# Altium PCB Copy of PCB.PcbDoc (part 2 of 3)
Units mm, origin at the board's own origin, x right, y up, seen from the top; angles counter-clockwise.
Board outline 229 x 100 mm, 4 copper layers (Top Layer 1, Inner Layer 2, Inner Layer 3, Bottom Layer 4), stack 1.586 mm thick; 164 components, 97 nets, 426 pads, 765 vias.
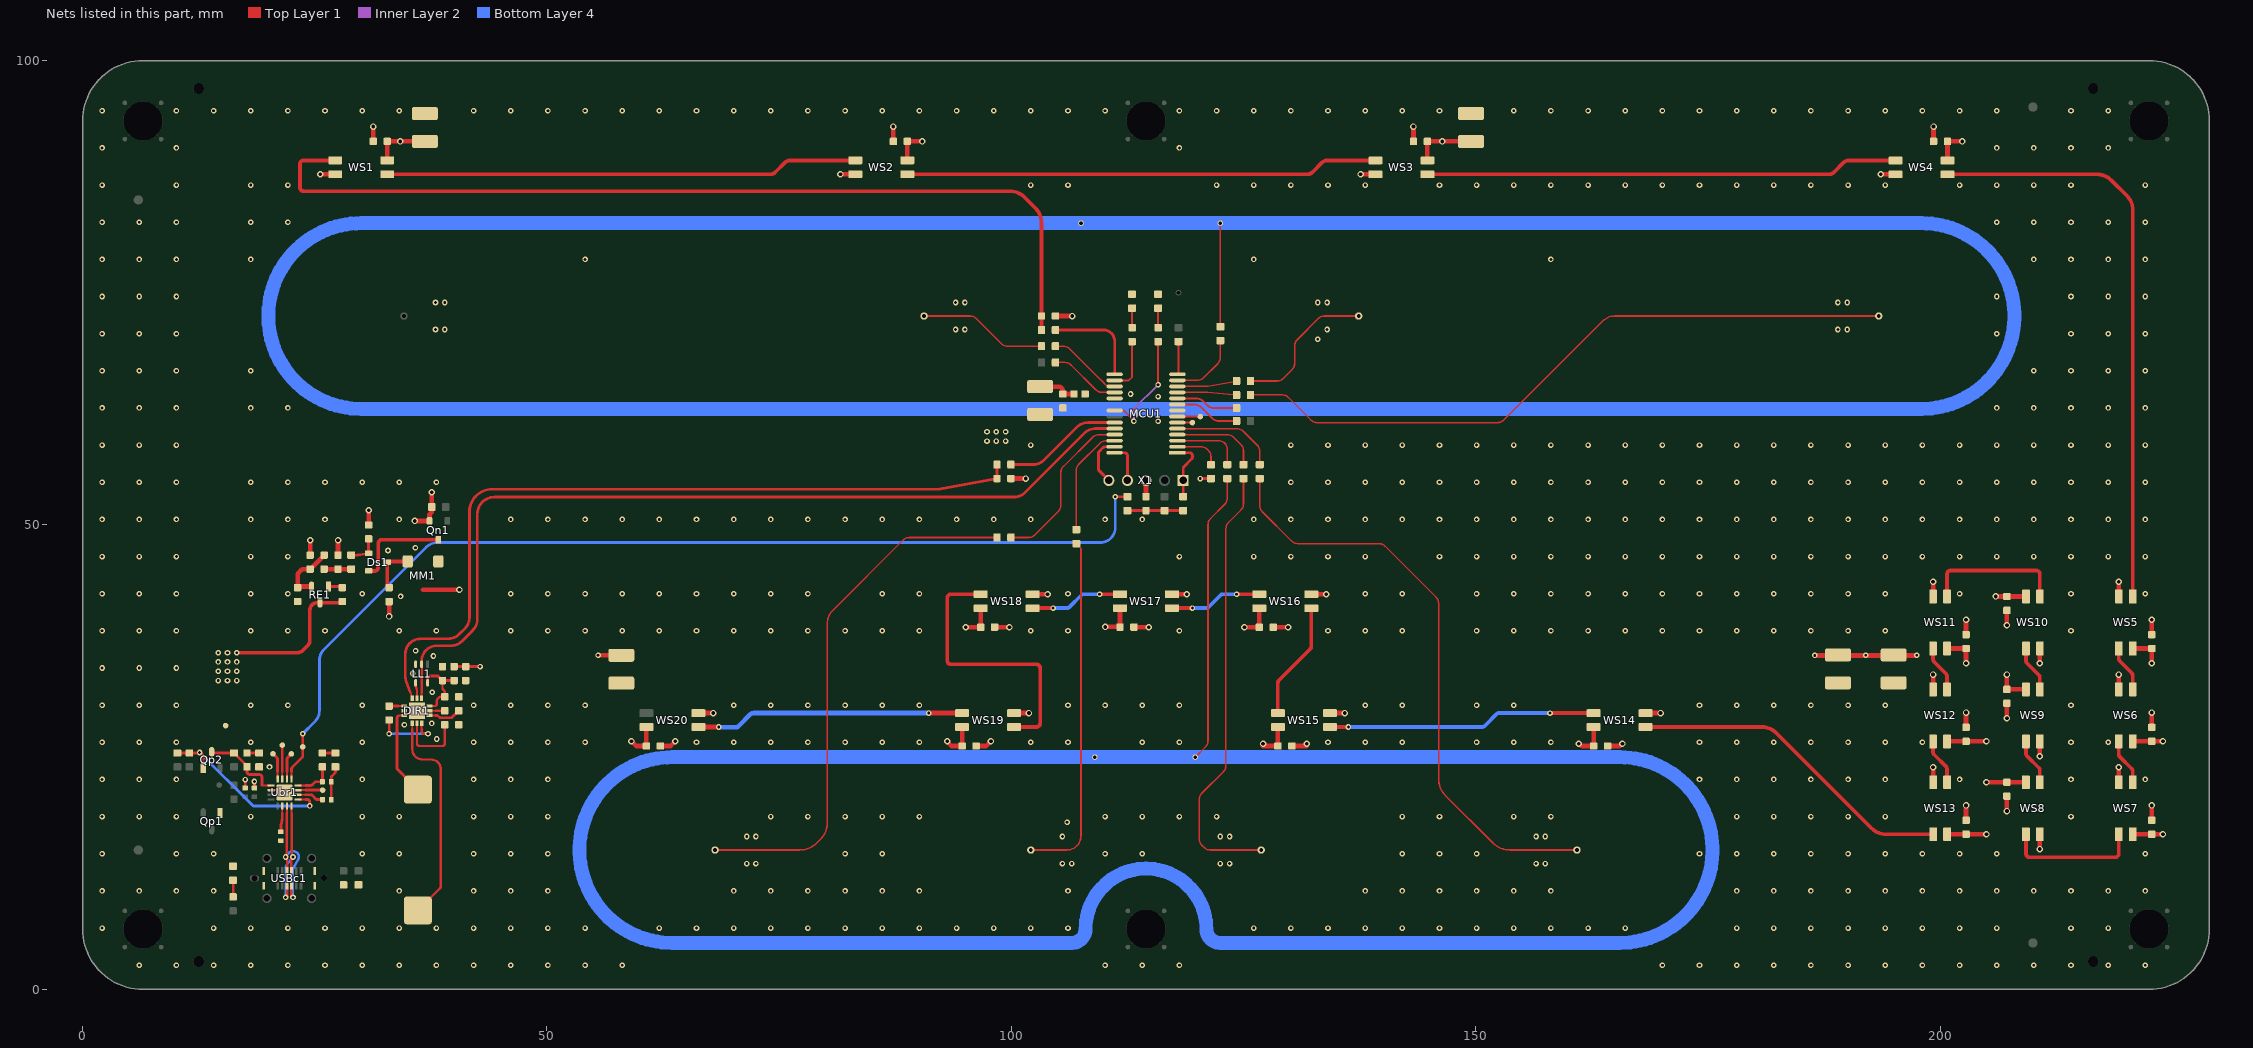
[diagram p4: the nets of this part, all layers, seen from the top]

## Part data (continued)
R1 R6: library part "0603 10 kOhm ±1% (B)", "10 k (103) ±1% 1/10W", Case/Package=0603, Manufacturer 1="Uniroyal Elec", Manufacturer Part Number 1=0603WAF1002T5E, Operating Temperature="-55°C ~ 155°C", Power (Watts)=1/10W, Supplier Part Number 1=C25804, Temperature Coefficient=±100ppm/°C, Tolerance=±1%, Voltage=50V, Assembly type="Basic Part", Detailed Description="CHIP RESISTOR - SURFACE MOUNT 10KOHMS ±1% 1/10W 0603 ROHS", Footprint check status=Verified, HelpURL=https://datasheet.lcsc.com/szlcsc/Uniroyal-Elec-0603WAF1002T5E_C25804.pdf, Marking=103, MountType=SMD, Note="Chip Resistor - Surface Mount", Publisher="Catcatcat Electronics", QuantityElements=1, Supplier 1=LCSC, Supplier Unit Price 1=0.0008, Supplier URL 1=https://jlcpcb.com/parts/componentSearch?searchTxt=C25804, Website developer=http://catcatcat.d-lan.dp.ua/
R2 R4 R5 R7 R8 R9 R12 R13 R16 R17 R18 R19: library part "0603 1 kOhm ±1% (B)", "1 k (01B) ±1% 1/10W", Case/Package=0603, Manufacturer 1="Uniroyal Elec", Manufacturer Part Number 1=0603WAF1001T5E, Operating Temperature="-55°C ~ 155°C", Power (Watts)=1/10W, Supplier Part Number 1=C21190, Temperature Coefficient=±100ppm/°C, Tolerance=±1%, Voltage=75V, Assembly type="Basic Part", Detailed Description="100mW Thick Film Resistors ±100ppm/℃ ±1% 1kΩ 0603  Chip Resistor - Surface Mount ROHS", Footprint check status=Verified, HelpURL=https://datasheet.lcsc.com/szlcsc/Uniroyal-Elec-0603WAF1001T5E_C21190.pdf, Marking=102, MountType=SMD, Note="Chip Resistor - Surface Mount", Publisher="Catcatcat Electronics", QuantityElements=1, Supplier 1=LCSC, Supplier Unit Price 1=0.0005, Supplier URL 1=https://jlcpcb.com/parts/componentSearch?searchTxt=, Website developer=http://catcatcat.d-lan.dp.ua/
R3: library part "0603 33 Ohm ±1% (B)", "33 R (330) ±1% 1/10W 50V", Case/Package=0603, Manufacturer 1="Uniroyal Elec", Manufacturer Part Number 1=0603WAF330JT5E, Operating Temperature="-55°C ~ 155°C", Power (Watts)=1/10W, Supplier Part Number 1=C23140, Temperature Coefficient=±100ppm/°C, Tolerance=±1%, Voltage=50V, Assembly type="Basic Part", Detailed Description="CHIP RESISTOR - SURFACE MOUNT 33OHMS ±1% 1/10W 0603 ROHS", Footprint check status=Verified, HelpURL=https://datasheet.lcsc.com/szlcsc/Uniroyal-Elec-0603WAF330JT5E_C23140.pdf, MountType=SMD, Note="Chip Resistor - Surface Mount", Publisher="Catcatcat Electronics", QuantityElements=1, Supplier 1=LCSC, Supplier Unit Price 1=0.0014, Supplier URL 1=https://jlcpcb.com/parts/componentSearch?searchTxt=, Website developer=http://catcatcat.d-lan.dp.ua/
R10 R11: library part "0603 22 Ohm ±1% (B)", "22 R (220) ±1% 1/10W 50V", Case/Package=0603, Manufacturer 1="Uniroyal Elec", Manufacturer Part Number 1=0603WAF220JT5E, Operating Temperature="-55°C ~ 155°C", Power (Watts)=1/10W, Supplier Part Number 1=C23345, Temperature Coefficient=±100ppm/°C, Tolerance=±1%, Voltage=50V, Assembly type="Basic Part", Detailed Description="100mW Thick Film Resistors ±100ppm/℃ ±1% 22Ω 0603  Chip Resistor - Surface Mount ROHS", Footprint check status=Verified, HelpURL=Uniroyal-Elec-0603WAF220JT5E_C23345.pdf, MountType=SMD, Note="Chip Resistor - Surface Mount", Publisher="Catcatcat Electronics", QuantityElements=1, Supplier 1=LCSC, Supplier Unit Price 1=0.0009, Supplier URL 1=https://jlcpcb.com/parts/componentSearch?searchTxt=, Website developer=http://catcatcat.d-lan.dp.ua/
R14 R15 R26 R30: library part "0603 2.2 kOhm ±1% (B)", "2.2 k (222) ±1% 1/10W 50V", Case/Package=0603, Manufacturer 1="Uniroyal Elec", Manufacturer Part Number 1=0603WAF2201T5E, Operating Temperature="-55°C ~ 155°C", Power (Watts)=1/10W, Supplier Part Number 1=C4190, Temperature Coefficient=±100ppm/℃, Tolerance=±1%, Voltage=50V, Assembly type="Basic Part", Detailed Description="100mW Thick Film Resistors ±100ppm/℃ ±1% 2.2kΩ 0603  Chip Resistor - Surface Mount ROHS", Footprint check status=Verified, HelpURL=https://datasheet.lcsc.com/szlcsc/Uniroyal-Elec-0603WAF2201T5E_C4190.pdf, Marking=222, MountType=SMD, Note="Chip Resistor - Surface Mount", Publisher="Catcatcat Electronics", QuantityElements=1, Supplier 1=LCSC, Supplier Unit Price 1=0.0009, Supplier URL 1=https://jlcpcb.com/parts/componentSearch?searchTxt=, Website developer=http://catcatcat.d-lan.dp.ua/
R20: library part "0603 4.7 Ohm ±1% (B)", "4.7 R (4R7) ±1% 1/10W 75V", Case/Package=0603, Manufacturer 1="UNI-ROYAL(Uniroyal Elec)", Manufacturer Part Number 1=0603WAF470KT5E, Operating Temperature="-55°C ~ 155°C", Power (Watts)=1/10W, Supplier Part Number 1=C23164, Temperature Coefficient=±400ppm/℃, Tolerance=±1%, Voltage=75V, Assembly type="Basic Part", Detailed Description="100mW Thick Film Resistors ±1% ±400ppm/℃ 4.7Ω 0603  Chip Resistor - Surface Mount ROHS", Footprint check status=Verified, HelpURL=https://datasheet.lcsc.com/lcsc/2206010116_UNI-ROYAL-Uniroyal-Elec-0603WAF470KT5E_C23164.pdf, Manufacturer URL=http://uniohm.com/, Marking=4R7, MountType=SMD, Note="Chip Resistor - Surface Mount", Publisher="Catcatcat Electronics", QuantityElements=1, Supplier 1=LCSC, Supplier Unit Price 1=0.0014, Supplier URL 1=https://www.lcsc.com/product-detail/Chip-Resistor-Surface-Mount_UNI-ROYAL-Uniroyal-Elec-0603WAF470KT5E_C23164.html, Website developer=http://catcatcat.d-lan.dp.ua/
R21: library part "0603 100 kOhm ±1% (B)", "100 k (104) ±1% 1/10W 50V", Case/Package=0603, Manufacturer 1="UNI-ROYAL(Uniroyal Elec)", Manufacturer Part Number 1=0603WAF1003T5E, Operating Temperature="-55°C ~ 155°C", Power (Watts)=1/10W, Supplier Part Number 1=C25803, Temperature Coefficient="±100 ppm/℃", Tolerance=±1%, Voltage=50V, Assembly type="Basic Part", Detailed Description="100mW Thick Film Resistors ±100ppm/℃ ±1% 100kΩ 0603  Chip Resistor - Surface Mount ROHS", Footprint check status=Verified, HelpURL=https://datasheet.lcsc.com/szlcsc/Uniroyal-Elec-0603WAF1003T5E_C25803.pdf, MountType=SMD, Note="Chip Resistor - Surface Mount", Publisher="Catcatcat Electronics", QuantityElements=1, Supplier 1=LCSC, Supplier Unit Price 1=0.0009, Supplier URL 1=https://jlcpcb.com/parts/componentSearch?searchTxt=C25803, Website developer=http://catcatcat.d-lan.dp.ua/
R22 R31: library part "0603 330 Ohm ±1% (B)", "330 R (331) ±5% 1/10W 50V", Case/Package=0603, Manufacturer 1="Uniroyal Elec", Manufacturer Part Number 1=0603WAF3300T5E, Operating Temperature="-55°C ~ 155°C", Power (Watts)=1/10W, Supplier Part Number 1=C23138, Temperature Coefficient=±100ppm/°C, Tolerance=±1%, Voltage=50V, Assembly type="Basic Part", Detailed Description="CHIP RESISTOR - SURFACE MOUNT 330OHMS ±1% 1/10W 0603 ROHS", Footprint check status=Verified, HelpURL=https://datasheet.lcsc.com/szlcsc/Uniroyal-Elec-0603WAF3300T5E_C23138.pdf, Manufacturer URL=http://uniohm.com/, MountType=SMD, Note="Chip Resistor - Surface Mount", Publisher="Catcatcat Electronics", QuantityElements=1, Supplier 1=LCSC, Supplier Unit Price 1=0.0019, Supplier URL 1=https://jlcpcb.com/parts/componentSearch?searchTxt=, Website developer=http://catcatcat.d-lan.dp.ua/
R23 R25: library part "0603 0 Ohm ±1% (B)", "0 R (000) ±5% 1/10W 50V", Case/Package=0603, Manufacturer 1="Uniroyal Elec", Manufacturer Part Number 1=0603WAF0000T5E, Operating Temperature="-55°C ~ 155°C", Power (Watts)=1/10W, Supplier Part Number 1=C21189, Temperature Coefficient=±100ppm/°C, Tolerance=±1%, Voltage=50V, Assembly type=DNP, Detailed Description="CHIP RESISTOR - SURFACE MOUNT 0OHMS ±1% 1/10W 0603 ROHS", Footprint check status=Verified, HelpURL=https://datasheet.lcsc.com/szlcsc/Uniroyal-Elec-0603WAF0000T5E_C21189.pdf, MountType=SMD, Note="Chip Resistor - Surface Mount", Publisher="Catcatcat Electronics", QuantityElements=1, Supplier 1=LCSC, Supplier Unit Price 1=0.0016, Supplier URL 1=https://jlcpcb.com/parts/componentSearch?searchTxt=, Website developer=http://catcatcat.d-lan.dp.ua/
R24: library part "0402 4.7 kOhm ±1% (B)", "4.7 k (4701)±1% 1/16W 50V", Case/Package=0402, Manufacturer 1="UNI-ROYAL(Uniroyal Elec)", Manufacturer Part Number 1=0402WGF4701TCE, Operating Temperature="-55°C ~ 155°C", Power (Watts)=1/16W, Supplier Part Number 1=C25900, Temperature Coefficient=±100ppm/℃, Tolerance=±1%, Voltage=50V, Assembly type="Basic Part", Detailed Description="±1% 1/16W Thick Film Resistors 50V ±100ppm/℃ -55℃~+155℃ 4.7kΩ 0402 Chip Resistor - Surface Mount ROHS", Footprint check status=Verified, HelpURL=Uniroyal-Elec-0402WGF4701TCE_C25900.pdf, MountType=SMD, Note="Chip Resistor - Surface Mount", Publisher="Catcatcat Electronics", QuantityElements=1, Supplier 1=LCSC, Supplier Unit Price 1=0.0005, Supplier URL 1=https://jlcpcb.com/parts/componentSearch?searchTxt=C25900, Website developer=http://catcatcat.d-lan.dp.ua/
R27: library part "0402 10 kOhm ±1% (B)", "10 k ±1% 1/16W 50V", Case/Package=0402, Manufacturer 1="Uniroyal Elec", Manufacturer Part Number 1=0402WGF1002TCE, Operating Temperature="-55°C ~ 155°C", Power (Watts)=1/16W, Supplier Part Number 1=C25744, Temperature Coefficient=±100ppm/°C, Tolerance=±1%, Voltage=50V, Assembly type="Basic Part", Detailed Description="62.5mW Thick Film Resistors ±100ppm/℃ ±1% 10kΩ 0402  Chip Resistor - Surface Mount ROHS", Footprint check status=Verified, HelpURL=https://datasheet.lcsc.com/szlcsc/Uniroyal-Elec-0402WGF1002TCE_C25744.pdf, MountType=SMD, Note="Chip Resistor - Surface Mount", Publisher="Catcatcat Electronics", QuantityElements=1, Supplier 1=LCSC, Supplier Unit Price 1=0.0004, Supplier URL 1=https://jlcpcb.com/parts/componentSearch?searchTxt=C25744, Website developer=http://catcatcat.d-lan.dp.ua/
R28: library part "0603 220 kOhm ±1% (B)", "220 k (224) ±5% 1/10W 50V", Case/Package=0603, Manufacturer 1="Uniroyal Elec", Manufacturer Part Number 1=0603WAF2203T5E, Operating Temperature="-55°C ~ 155°C", Power (Watts)=1/10W, Supplier Part Number 1=C22961, Temperature Coefficient=±100ppm/°C, Tolerance=±1%, Voltage=50V, Assembly type="Basic Part", Detailed Description="CHIP RESISTOR - SURFACE MOUNT 220KOHMS ±1% 1/10W 0603 ROHS", Footprint check status=Verified, HelpURL=https://datasheet.lcsc.com/szlcsc/Uniroyal-Elec-0603WAF1603T5E_C22813.pdf, Marking=224, MountType=SMD, Note="Chip Resistor - Surface Mount", Publisher="Catcatcat Electronics", QuantityElements=1, Supplier 1=LCSC, Supplier Unit Price 1=0.0016, Supplier URL 1=https://jlcpcb.com/parts/componentSearch?searchTxt=, Website developer=http://catcatcat.d-lan.dp.ua/
R29: library part "0603 10 Ohm ±1% (B)", "10 R (XIO) ±1% 1/10W 50V ±400ppm/°C", Case/Package=0603, Manufacturer 1="Uniroyal Elec", Manufacturer Part Number 1=0603WAF100JT5E, Operating Temperature="-55°C ~ 155°C", Power (Watts)=1/10W, Supplier Part Number 1=C22859, Temperature Coefficient=±400ppm/°C, Tolerance=±1%, Voltage=50V, Assembly type="Basic Part", Detailed Description="100mW Thick Film Resistors ±1% ±400ppm/℃ 10Ω 0603  Chip Resistor - Surface Mount ROHS", Footprint check status=Verified, HelpURL=https://datasheet.lcsc.com/szlcsc/Uniroyal-Elec-0603WAF100JT5E_C22859.pdf, MountType=SMD, Note="Chip Resistor - Surface Mount", Publisher="Catcatcat Electronics", QuantityElements=1, Supplier 1=LCSC, Supplier Unit Price 1=0.0009, Supplier URL 1=https://jlcpcb.com/parts/componentSearch?searchTxt=C22859, Website developer=http://catcatcat.d-lan.dp.ua/
RE1: library part "XC6206P332MR (B)", "LDO 5.0V 3.3V 200mA Fixed 3.3V~3.3V Positive 6V SOT-23-3L  Linear Voltage Regulators (LDO) ROHS", Case/Package=SOT-23-3L, Current - Output (Max)=200mA, Manufacturer 1="Torex Semicon", Operating Temperature="-40C to +85C", Supplier Part Number 1=C5446, Voltage=3.3V, Voltage - Input (Min)/(Max)=5V, Assembly type="Basic Part", Detailed Description="200mA Fixed 3.3V~3.3V Positive 6V SOT-23-3L  Linear Voltage Regulators (LDO) ROHS", Footprint check status=Verified, HelpURL=https://eu.mouser.com/datasheet/2/760/TOSL_S_A0007229533_1-2575067.pdf, Manufacturer Part Number 1=XC6206P332MR, Marking=662V, MountType=SMD, Note="LOW DROPOUT REGULATORS(LDO)", Publisher="Catcatcat Electronics", QuantityElements=1, Supplier 1=LCSC, Supplier Unit Price 1=0.0992, Supplier URL 1=https://jlcpcb.com/parts/componentSearch?searchTxt=C5446, Website developer=http://catcatcat.d-lan.dp.ua/
RN1 RN2 RN3 RN4 RN5 RN6: library part "Round Nut M2.5xL10.0S (E)", "Nuts Tinning Copper, M2.5 Round Nut L10.0mm", Case/Package=SMD-M2.5x5.56xLxx+1.53, Manufacturer 1=Sinhoo, Supplier Part Number 1=C2916330, Assembly type="Extended Part", Detailed Description="Round Nut M2.5x5.56xLxx+1.53  Nuts ROHS", Footprint check status=Verified, HelpURL=https://datasheet.lcsc.com/lcsc/2112061830_Sinhoo-SMTSO25100CTJ_C2916330.pdf, Manufacturer Part Number 1=SMTSO25100CTJ, MountType=SMD+TH, Note="Round Nut", Publisher="Catcatcat Electronics", Supplier 1=LCSC, Supplier Unit Price 1=0.1272, Supplier URL 1=https://www.lcsc.com/product-detail/SMD-round-nut_Sinhoo-SMTSO25100CTJ_C2916330.html, Website developer=http://catcatcat.d-lan.dp.ua/
TO1 TO2 TO3 TO4: library part Tooling_Holes_1.152MM, "For Assembly", Case/Package="Tooling Hole 1.152mm", Assembly type="Tooling Hole", Footprint check status=Verified, Note="Tooling Hole", Publisher="Catcatcat Electronics", Supplier 1=LCSC, Supplier URL 1=https://jlcpcb.com/parts/componentSearch?searchTxt=, Website developer=http://catcatcat.d-lan.dp.ua/
TP1 TP2 TP3 TP4 TP5 TP6 TP7 TP8 TP9: library part "Test_Point smd_0.6", "Test Point TOP", Assembly type="Test Point", Footprint check status=Verified, Note="Test Point", Publisher="Catcatcat Electronics", Supplier 1=LCSC, Supplier URL 1=https://jlcpcb.com/parts/componentSearch?searchTxt=, Website developer=http://catcatcat.d-lan.dp.ua/
TSE1 TSE2 TSE3 TSE4 TSE5 TSE6 TSE7 TSE8: "Touch Sensors,", Case/Package=d10mm, Assembly type="PCB component", Footprint check status=Verified, Publisher="Catcatcat Electronics", Website developer=http://catcatcat.d-lan.dp.ua/
Ubr1: library part "CH343P (E)", "USB Bridge, USB 2.0 Transceiver 2Mbps TQFN-16-EP(3x3)", Case/Package=TQFN-16-EP(3x3), Manufacturer 1="WCH(Jiangsu Qin Heng)", Supplier Part Number 1=C2846043, Assembly type="Extended Part", Detailed Description="USB 2.0 Transceiver 2Mbps SOP-16_150mil USB ICs ROHS", Footprint check status=Verified, HelpURL=https://datasheet.lcsc.com/lcsc/2108172330_WCH-Jiangsu-Qin-Heng-CH343P_C2846043.pdf, Manufacturer Part Number 1=CH343P, MountType=SMD, Note=USB, Publisher="Catcatcat Electronics", QuantityElements=1, Supplier 1=LCSC, Supplier Unit Price 1=1.1284, Supplier URL 1=https://jlcpcb.com/parts/componentSearch?searchTxt=C2846043, Website developer=http://catcatcat.d-lan.dp.ua/
USBc1: library part "GT-USB-7055E (E)", "Type C V USB 2.0 5A 1 Brick nogging 16P Female -40℃~+85℃ Gold High Conductivity Copper Type-C SMD  USB Connectors ROHS", Case/Package=SMD, Manufacturer 1=G-Switch, Supplier Part Number 1=C7450622, Temp.Characteristic="-20C to +70C", Assembly type="Extended Part", Detailed Description="USB 2.0 5A 1 Brick nogging 16P Female -40℃~+85℃ Gold High Conductivity Copper Type-C SMD  USB Connectors ROHS", Footprint check status=Verified, HelpURL=https://wmsc.lcsc.com/wmsc/upload/file/pdf/v2/lcsc/2307121106_G-Switch-GT-USB-7055E_C7450622.pdf, Manufacturer Part Number 1=GT-USB-7055E, MountType=SMT/TH, Note="DIP+SMD USB Connectors RoHS", Publisher="Catcatcat Electronics", QuantityElements=1, Supplier 1=LCSC, Supplier Unit Price 1=0.2603, Supplier URL 1=https://www.lcsc.com/product-detail/USB-Connectors_G-Switch-GT-USB-7055E_C7450622.html, Website developer=http://catcatcat.d-lan.dp.ua/
WS1 WS2 WS3 WS4 WS5 WS6 WS7 WS8 WS9 WS10 WS11 WS12 WS13 WS14 WS15 WS16 WS17 WS18 WS19 WS20: library part "DY-S352818/RGBC/6812-2T (E)", "12mA 5.2V -40℃~+80℃ RGB SMD  Light Emitting Diodes (LED) ROHS", Case/Package=SMD, Manufacturer 1=TONYU, Supplier Part Number 1=C524051, Temp.Characteristic="-40C to +85C", Voltage=+3.7~+5.3, Assembly type="Extended Part", Data Protocol=NRZ, Data structure="GRB 24bit", Detailed Description="12mA 5.2V -40℃~+80℃ RGB SMD  Light Emitting Diodes (LED) ROHS", Footprint check status=Verified, HelpURL=https://datasheet.lcsc.com/lcsc/2006011837_TONYU-DY-S352818-RGBC-6812-2T_C524051.pdf, Manufacturer Part Number 1=DY-S352818/RGBC/6812-2T, MountType=SMD, Note="IN THE HOLE OF THE PCB", Publisher="Catcatcat Electronics", QuantityElements=1, Supplier 1=LCSC, Supplier Unit Price 1=0.0804, Supplier URL 1=https://jlcpcb.com/parts/componentSearch?searchTxt=, Website developer=http://catcatcat.d-lan.dp.ua/
X1: "2.0 mm", Operating Temperature=-40℃~+105℃, Temp.Characteristic="-40C to +85C", Assembly type="Manual Part", Footprint check status=Verified, Manufacturer 1=http://www.jinlingdz.com, MountType=TH, Note=Connector, Publisher="Catcatcat Electronics", QuantityElements=1, Supplier URL 1=https://jlcpcb.com/parts/componentSearch?searchTxt=, Website developer=http://catcatcat.d-lan.dp.ua/

## Via types
v1: diameter 0.6, hole 0.3, Top Layer 1 to Bottom Layer 4, tented both sides, 696 vias
v2: diameter 0.7, hole 0.4, Top Layer 1 to Bottom Layer 4, tented both sides, 69 vias

## Nets (pads, with @x,y where several pads share a name; then routed paths per layer and width w, separated by ;. In a path a pad name is that pad's centre, name@x,y a point inside that pad or via, vN(x,y) a via of type N, cw(c..) or ccw(c..) an arc to the next point about the centre after c; other vN are vias at no path point)
+3.3V: C14.2 C17.2 FB3.2 RE1.2 | length 6.7
  Top Layer 1 w0.5: RE1.2@24.656,43.379 23.3,43.379 C17.2@23.15,43.259 23.15,44.543 cw(c23.65,44.543) 23.295,44.895 23.504,45.104 cw(c23.857,44.75) 23.857,45.25 C14.2@24.5,45.25 FB3.2@26,46.75
+5.0V: C4.2 C5.1 C7.2 C16.2 C18.1 C19.1 C20.1 C21.1 C22.1 C24.2 C25.2 C26.2 C27.2 C28.2 C29.2 C30.2 C31.2 C32.2 C33.2 C34.2 C35.2 C36.2 C37.2 C38.2 C39.2 C40.2 C41.2 C42.2 C43.2 FB1.1 FB2.2 LD4.2 Qp2.3 R25.2 RE1.3 TP8.1 Ubr1.1 WS1.3 WS2.3 WS3.3 WS4.3 WS5.3 WS6.3 WS7.3 WS8.3 WS9.3 WS10.3 WS11.3 WS12.3 WS13.3 WS14.3 WS15.3 WS16.3 WS17.3 WS18.3 WS19.3 WS20.3 | length 124.8
  Top Layer 1 w0.2: 19.304,21.976 19.33,21.95 Ubr1.1@20.3,21.95
  Top Layer 1 w0.3: Qp2.3@13.9,25.577 14.027,25.45 R25.2@16.305,25.45 17.555,24.2 LD4.2@17.7,23.95 ; LD4.2@17.7,23.995 17.7,23.429 ccw(c18,23.429) 18,23.129 19.004,23.129 cw(c19.004,22.829) 19.304,22.829 19.304,21.976 ; FB2.2@40,34.75 C7.2@41.25,34.75 v1(42.8,34.75)
  Top Layer 1 w0.4: v1(16.6,36.25) 23.139,36.25 ccw(c23.139,37.05) 23.703,36.483 24.229,37.009 ccw(c23.662,37.574) 24.462,37.574 24.462,40.826 cw(c25.262,40.826) 25.262,41.626 27.757,41.626 C16.2@27.957,41.759
  Top Layer 1 w0.5: WS1.3@32.8,89.25 C24.2@32.8,91.3 C18.1@36.847,91.3 ; v1(55.5,35.97) C20.1@58,35.97 ; v2(59.1,26.7) 59.6,26.2 C43.2@60.7,26.2 WS20.3@60.7,28.25 ; WS2.3@88.8,89.25 C25.2@88.8,91.3 v2(90.4,91.3) ; v2@93.059,26.7 93.559,26.2 C42.2@94.7,26.2 WS19.3@94.7,28.25 ; v2(95.1,39) C41.2@96.7,39 WS18.3@96.7,41.05 ; C5.1@103.1,64.9 105.05,64.9 cw(c105.05,64.4) 105.55,64.4 C4.2@105.55,64.1 FB1.1@106.75,64.1 ; v2(110.1,39.025) 111.7,39.025 WS17.3@111.7,41.05 ; v2(125.1,39) C39.2@126.7,39 WS16.3@126.7,41.05 ; v2@127.1,26.2 C38.2@128.7,26.2 WS15.3@128.7,28.25 ; WS3.3@144.8,89.25 C26.2@144.8,91.3 v2(146.4,91.3) C19.1@149.5,91.3 ; v2(161.1,26.45) 161.203,26.347 ccw(c161.557,26.7) 161.557,26.2 C37.2@162.7,26.2 WS14.3@162.7,28.25 ; v1(186.5,35.95) v1@197.423,35.95 ; WS13.3@200.75,16.7 C36.2@202.8,16.7 202.95,16.7 v2(205,16.7) ; WS12.3@200.75,26.7 C35.2@202.8,26.7 v2(205,26.7) ; WS11.3@200.75,36.7 C34.2@202.8,36.7 v2(202.8,35.1) ; WS4.3@200.8,89.25 C27.2@200.8,91.3 v2(202.4,91.3) ; v2(205,22.3) C31.2@207.2,22.3 WS8.3@209.25,22.3 ; v2(206,42.3) 207.05,42.3 C33.2@207.2,42.3 WS10.3@209.25,42.3 ; v2(207.2,33.9) C32.2@207.2,32.3 WS9.3@209.25,32.3 ; WS7.3@220.75,16.7 C30.2@222.8,16.7 222.95,16.7 v2(224,16.7) ; WS6.3@220.75,26.7 C29.2@222.8,26.7 v2(224,26.7) ; WS5.3@220.75,36.7 C28.2@222.8,36.7 v2(222.8,35.1)
  other v1: 14.6,33.25 15.6,33.25 16.6,33.25 14.6,34.25 15.6,34.25 16.6,34.25 14.6,35.25 15.6,35.25 16.6,35.25 192,35.974 197.5,35.974 14.6,36.25 15.6,36.25 97.378,59.028 98.378,59.028 99.378,59.028 97.378,60.028 98.378,60.028 99.378,60.028
  other v2: 127.1,26.45 93.1,26.7 34.2,91.3
\MCLR: MCU1.1 R2.2 X1.1 | length 6.6
  Top Layer 1 w0.3: MCU1.1@117.875,57.775 119.2,57.775 cw(c119.2,57.475) 119.5,57.475 119.5,57.31 cw(c119.2,57.31) 119.411,57.097 118.588,56.274 ccw(c118.8,56.062) 118.5,56.062 R2.2@118.5,53.05
AND: R16.2 TSE3.1 | length 16
  Top Layer 1 w0.17: R16.2@125.75,65.5 128.613,65.5 ccw(c128.613,66.435) 129.273,65.773 130.227,66.727 ccw(c129.565,67.387) 130.5,67.387 130.5,69.288 cw(c131.435,69.288) 130.773,69.948 133.052,72.227 cw(c133.712,71.565) 133.712,72.5 TSE3.1@137.4,72.5
BUZZER: C2.2 DIR1.3 R3.2 | length 85.1
  Top Layer 1 w0.2: 35.284,32 35.475,31.5 DIR1.3@35.5,31.35
  Top Layer 1 w0.3: 35.284,32 34.858,33.115 cw(c36.4,33.702) 34.75,33.702 34.75,36.1 cw(c36.4,36.1) 36.4,37.75 39.367,37.75 ccw(c39.367,39.4) 40.533,38.233 41.167,38.867 ccw(c40,40.033) 41.65,40.033 41.65,51.408 cw(c44.104,51.396) 44.104,53.851 92.014,53.851 ccw(c92.014,55.501) 92.31,53.877 98.206,54.951 cw(c98.503,53.328) 98.208,54.951 C2.2@98.458,55 R3.2@98.458,56.5
D_N: Ubr1.8 USBc1.A7 USBc1.B7 | length 12.9
  Top Layer 1 w0.2: 22.5,18.95 Ubr1.8@22.5,19.75
  Top Layer 1 w0.266: USBc1.A7@22,11.15 22.017,11.133 v1@22.017,10.056 ; USBc1.B7@22.5,12.75 22.483,12.767 22.483,13.993 22.65,14.16 v1(22.65,14.25) 22.5,14.4 22.5,18.95
  Bottom Layer 4 w0.266: v1(21.85,9.9) 21.85,12.913 cw(c22.916,12.913) 21.99,13.442 cw(c22.686,13.046) 22.102,13.594 22.312,13.817 ccw(c21.85,14.25) 22.351,13.863 v1(22.65,14.25)
D_P: Ubr1.7 USBc1.A6 USBc1.B6 | length 14.8
  Top Layer 1 w0.2: 22,18.95 Ubr1.7@22,19.75
  Top Layer 1 w0.266: USBc1.B6@22,12.75 22.017,12.767 22.017,13.313 22.017,13.993 21.85,14.16 v1(21.85,14.25) 22,14.4 22,18.95 ; v1@22.483,10.056 22.483,10.587 22.483,11.133 USBc1.A6@22.5,11.15